# KiCad board tokeyo.kicad_pcb
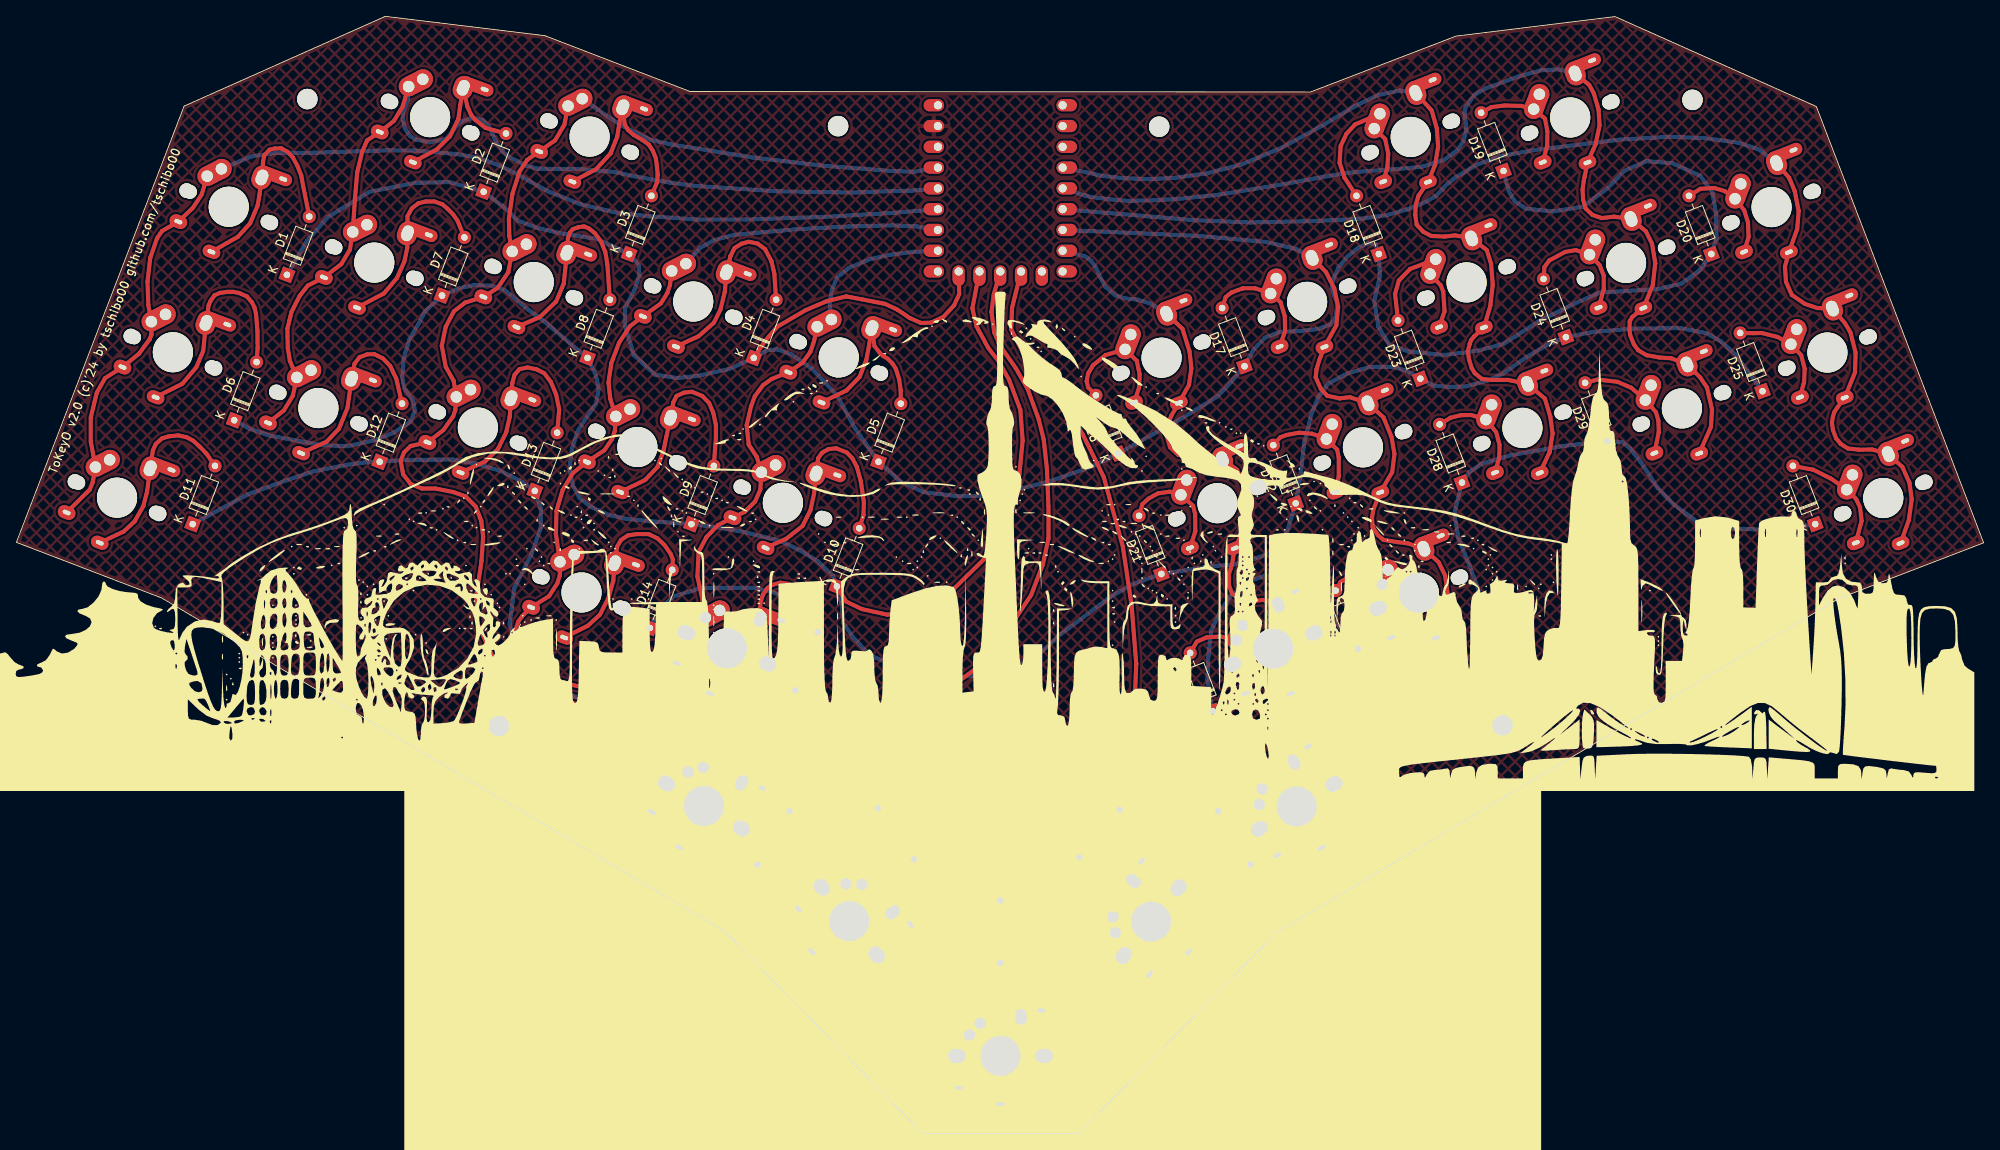
[diagram p0: board, top side]
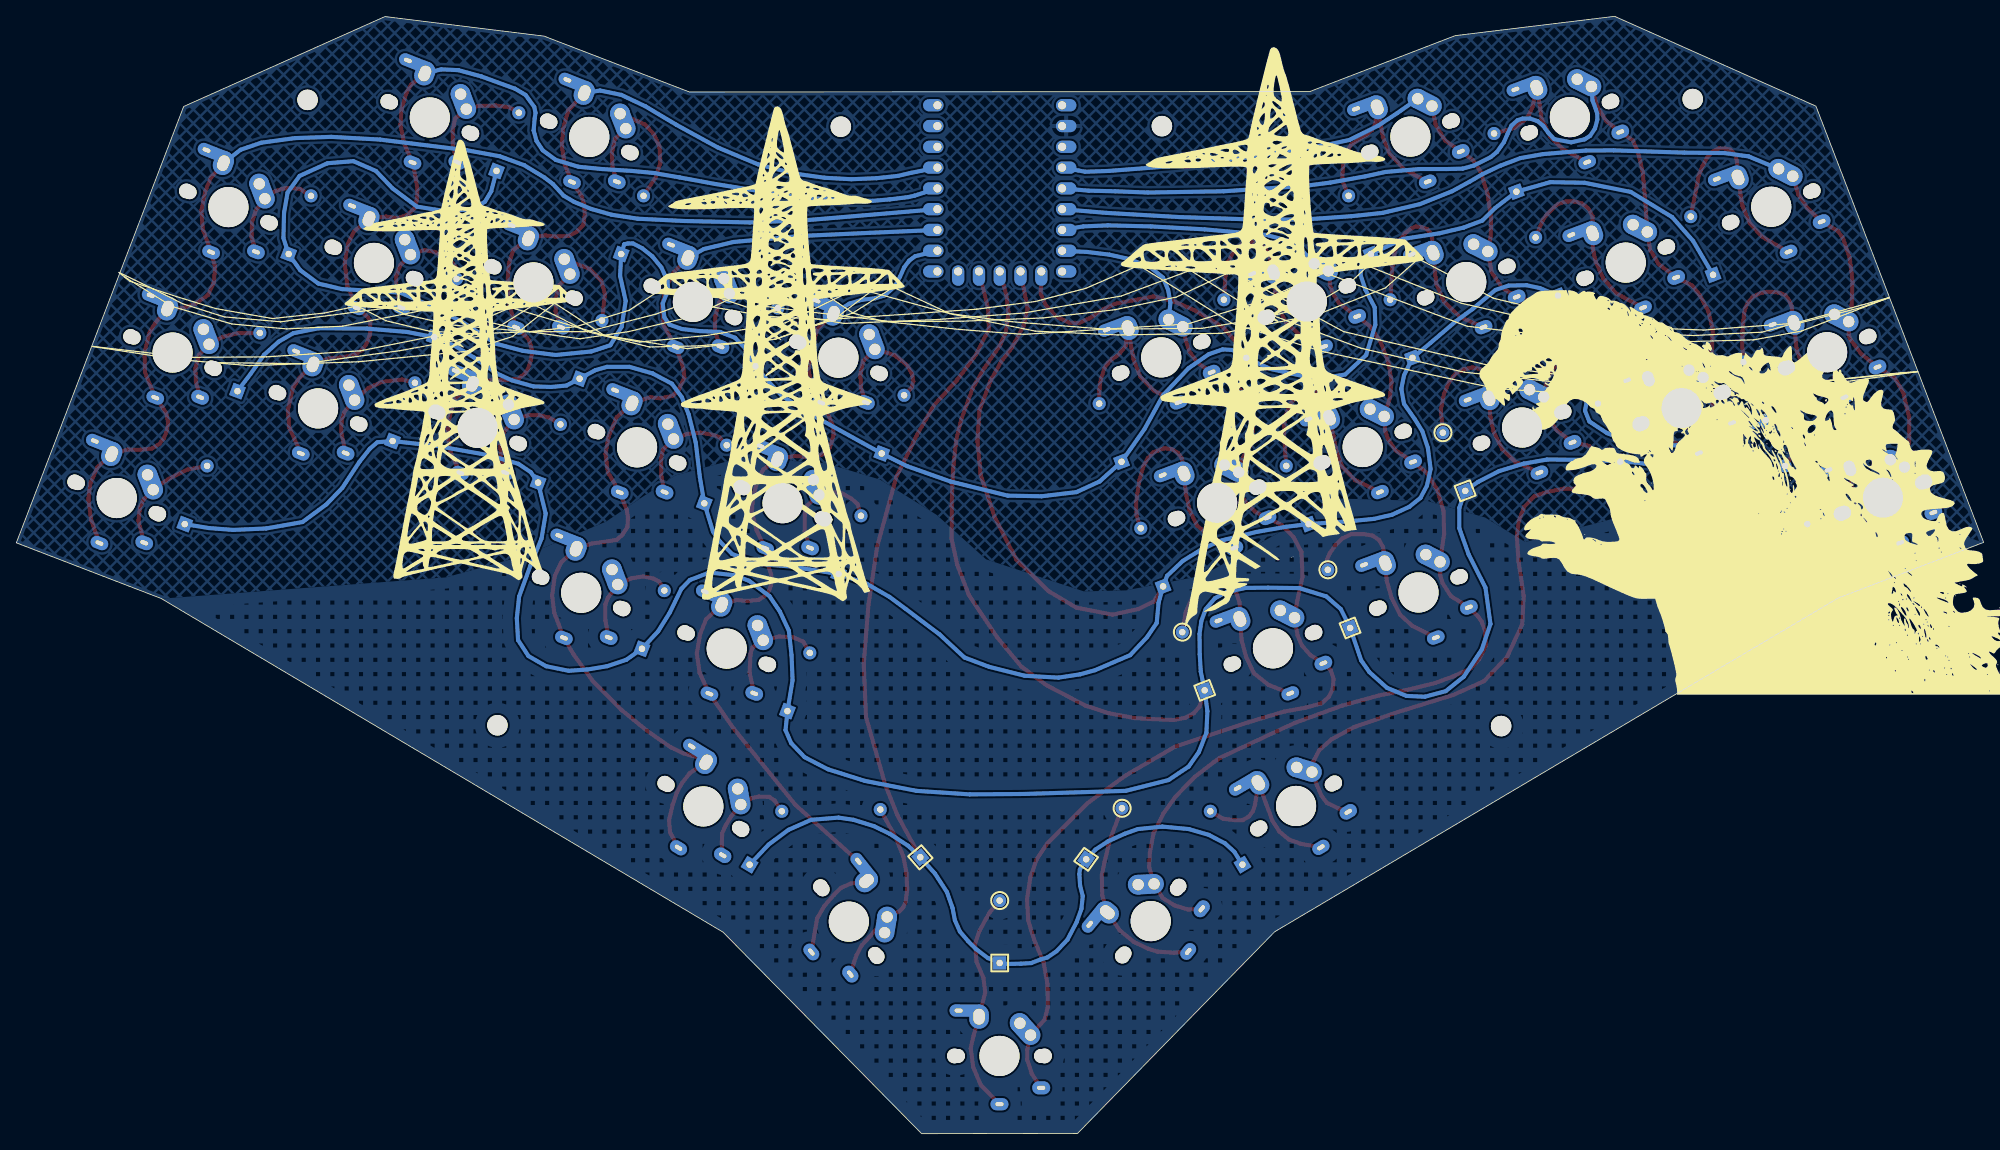
[diagram p1: board, bottom side, seen from below]

Outline 240.44 x 136.6 mm; copper layers: Top, Bottom. Coordinates in mm from the lower left corner of the outline.
Outline path: 0,72.29 20.5,125.63 45.09,136.6 64.59,134.24 82.35,127.41 158.17,127.36 175.95,134.19 195.38,136.58 219.99,125.58 240.44,72.24 222.73,65.43 154.07,24.64 129.79,0 110.74,0.03 86.66,24.68 17.78,65.48 closed

## Placement (name value [footprint] x y rotation side)
D1  Diode  [Diode_DO-35]  33.07 105 69 top
D2  Diode  [Diode_DO-35]  57.11 115.16 69 top
D3  Diode  [Diode_DO-35]  74.89 107.54 69 top
D4  Diode  [Diode_DO-35]  90.13 94.84 69 top
D5  Diode  [Diode_DO-35]  105.37 82.14 69 top
D6  Diode  [Diode_DO-35]  26.63 87.22 69 top
D7  Diode  [Diode_DO-35]  52.03 102.46 69 top
D8  Diode  [Diode_DO-35]  69.81 94.84 69 top
D9  Diode  [Diode_DO-35]  82.51 74.52 69 top
D10  Diode  [Diode_DO-35]  100.29 66.9 69 top
D11  Diode  [Diode_DO-35]  21.55 74.52 69 top
D12  Diode  [Diode_DO-35]  44.41 82.14 69 top
D13  Diode  [Diode_DO-35]  63.36 78.59 69 top
D14  Diode  [Diode_DO-35]  77.43 61.82 69 top
D15  Diode  [Diode_DO-35]  95.21 54.2 69 top
D16  Diode  [Diode_DO-35]  134.67 83.16 111 top
D17  Diode  [Diode_DO-35]  150.1 93.83 111 top
D18  Diode  [Diode_DO-35]  166.52 107.54 111 top
D19  Diode  [Diode_DO-35]  181.76 117.7 111 top
D20  Diode  [Diode_DO-35]  207.16 107.54 111 top
D21  Diode  [Diode_DO-35]  139.94 68.43 111 top
D22  Diode  [Diode_DO-35]  156.36 77.06 111 top
D23  Diode  [Diode_DO-35]  171.6 92.3 111 top
D24  Diode  [Diode_DO-35]  189.38 97.38 111 top
D25  Diode  [Diode_DO-35]  213.41 90.78 111 top
D26  Diode  [Diode_DO-35]  146.2 51.66 111 top
D27  Diode  [Diode_DO-35]  163.98 59.28 111 top
D28  Diode  [Diode_DO-35]  176.68 79.6 111 top
D29  Diode  [Diode_DO-35]  194.46 84.68 111 top
D30  Diode  [Diode_DO-35]  219.86 74.52 111 top
D31  Diode  [Diode_DO-35]  90.59 32.88 59 top
D32  Diode  [Diode_DO-35]  109.68 33.55 125 top
D33  Diode  [Diode_DO-35]  120.26 20.87 90 top
D34  Diode  [Diode_DO-35]  129.95 33.79 50 top
D35  Diode  [Diode_DO-35]  150.82 32.88 121 top
G***  LOGO  [cloud2]  176.23 106.96 0 top
G***#2  LOGO  [cloud]  56.5 98.9 0 top
G***#3  LOGO  [skyline]  115.63 72.68 0 top
G***#4  LOGO  [fire]  156.13 5.18 50 bottom
G***#5  LOGO  [godzilla]  29.44 79.06 180 bottom
G***#6  LOGO  [strom_]  88.13 96.7 180 bottom
G***#7  LOGO  [strom]  148.62 94.89 180 bottom
G***#8  LOGO  [strom_smaller]  187.22 94.19 180 bottom
REF**  -  [MountingHole_2.5mm]  181.64 49.93 0 top
REF**#2  -  [MountingHole_2.5mm]  139.67 123.11 0 top
REF**#3  -  [MountingHole_2.5mm]  58.97 49.83 0 top
REF**#4  -  [MountingHole_2.5mm]  100.43 123.18 0 top
REF**#5  -  [MountingHole_2.5mm]  204.85 126.39 0 top
REF**#6  -  [MountingHole_2.5mm]  35.56 126.49 0 top
S1  Keyswitch  [keyswitch_cherrymx_alps_choc12_1u]  25.96 113.32 339 top
S2  Keyswitch  [keyswitch_cherrymx_alps_choc12_1u]  50.57 124.28 339 top
S3  Keyswitch  [keyswitch_cherrymx_alps_choc12_1u]  70.06 121.9 339 top
S4  Keyswitch  [keyswitch_cherrymx_alps_choc12_1u]  82.72 101.73 339 top
S5  Keyswitch  [keyswitch_cherrymx_alps_choc12_1u]  100.51 94.91 339 top
S6  Keyswitch  [keyswitch_cherrymx_alps_choc12_1u]  19.13 95.54 339 top
S7  Keyswitch  [keyswitch_cherrymx_alps_choc12_1u]  43.74 106.5 339 top
S8  Keyswitch  [keyswitch_cherrymx_alps_choc12_1u]  63.23 104.11 339 top
S9  Keyswitch  [keyswitch_cherrymx_alps_choc12_1u]  75.9 83.95 339 top
S10  Keyswitch  [keyswitch_cherrymx_alps_choc12_1u]  93.68 77.12 339 top
S11  Keyswitch  [keyswitch_cherrymx_alps_choc12_1u]  12.3 77.75 339 top
S12  Keyswitch  [keyswitch_cherrymx_alps_choc12_1u]  36.91 88.71 339 top
S13  Keyswitch  [keyswitch_cherrymx_alps_choc12_1u]  56.41 86.33 339 top
S14  Keyswitch  [keyswitch_cherrymx_alps_choc12_1u]  69.07 66.16 339 top
S15  Keyswitch  [keyswitch_cherrymx_alps_choc12_1u]  86.86 59.34 339 top
S16  Keyswitch  [keyswitch_cherrymx_alps_choc12_1u]  139.97 94.87 21 top
S17  Keyswitch  [keyswitch_cherrymx_alps_choc12_1u]  157.75 101.69 21 top
S18  Keyswitch  [keyswitch_cherrymx_alps_choc12_1u]  170.41 121.86 21 top
S19  Keyswitch  [keyswitch_cherrymx_alps_choc12_1u]  189.91 124.24 21 top
S20  Keyswitch  [keyswitch_cherrymx_alps_choc12_1u]  214.52 113.28 21 top
S21  Keyswitch  [keyswitch_cherrymx_alps_choc12_1u]  146.79 77.08 21 top
S22  Keyswitch  [keyswitch_cherrymx_alps_choc12_1u]  164.58 83.91 21 top
S23  Keyswitch  [keyswitch_cherrymx_alps_choc12_1u]  177.24 104.07 21 top
S24  Keyswitch  [keyswitch_cherrymx_alps_choc12_1u]  196.73 106.45 21 top
S25  Keyswitch  [keyswitch_cherrymx_alps_choc12_1u]  221.34 95.5 21 top
S26  Keyswitch  [keyswitch_cherrymx_alps_choc12_1u]  153.62 59.3 21 top
S27  Keyswitch  [keyswitch_cherrymx_alps_choc12_1u]  171.4 66.12 21 top
S28  Keyswitch  [keyswitch_cherrymx_alps_choc12_1u]  184.07 86.29 21 top
S29  Keyswitch  [keyswitch_cherrymx_alps_choc12_1u]  203.56 88.67 21 top
S30  Keyswitch  [keyswitch_cherrymx_alps_choc12_1u]  228.17 77.71 21 top
S31  Keyswitch  [keyswitch_cherrymx_alps_choc12_1u]  84.03 40.06 329 top
S32  Keyswitch  [keyswitch_cherrymx_alps_choc12_1u]  101.8 25.98 309 top
S33  Keyswitch  [keyswitch_cherrymx_alps_choc12_1u]  120.28 9.5 0 top
S34  Keyswitch  [keyswitch_cherrymx_alps_choc12_1u]  138.7 25.92 51 top
S35  Keyswitch  [keyswitch_cherrymx_alps_choc12_1u]  156.47 40.01 31 top
U1  -  [RP2040_Zero]  120.25 115.57 0 top

## Library data of the parts
D1-D35 = -: Description: 1N4148 (DO-35) or 1N4148W (SOD-123); Sim.Device: D; Sim.Pins: 1=K 2=A
S1-S35 = -: Description: Push button switch, normally open, two pins, 45° tilted

## Footprints (pads in the part's own frame, mm; a bottom-side part is the same pattern mirrored in y, then rotated)
Diode_DO-35
  rect 1.6x1.6 hole 0.8: 1(0,0)
  oval 1.6x1.6 hole 0.8: 2(7.62,0)
keyswitch_cherrymx_alps_choc12_1u
  round 1.8 hole 1.8 unplated: (-5.5,0) (5.5,0)
  round 1.7 hole 1.7 unplated: (-5.08,0) (5.08,0)
  round 4.9 hole 4.9 unplated: (0,0)
  oval 2.2x1.6 hole 1x0.5: 1(-5.1,-3.9)
  oval 2.4x4.4 hole 1.4 rot 138: 1(-3.8,2.55)
  round 2.4 hole 1.4: 1(-2.5,4)
  oval 2.2x1.5 hole 1x0.5: 2(0,-5.9)
  oval 2.4x2.95 hole 1.4x1.95: 2(2.5,4.8)
  oval 4.4x1.5 hole 1x0.5 rot 0.5: 2(5,5.55)
MountingHole_2.5mm
  round 2.5 hole 2.5 unplated: (0,0)
RP2040_Zero
  oval 2.5x1.5 hole 1: 1(7.62,10.16) 2(7.62,7.62) 3(7.62,5.08) 4(7.62,2.54) 5(7.62,0) 6(7.62,-2.54) 7(7.62,-5.08) 8(7.62,-7.62) 9(7.62,-10.16) 15(-7.62,-10.16) 16(-7.62,-7.62) 17(-7.62,-5.08) 18(-7.62,-2.54) 19(-7.62,0) 20(-7.62,2.54) 21(-7.62,5.08) 22(-7.62,7.62) 23(-7.62,10.16)
  oval 1.5x2.5 hole 1: 10(5.08,-10.16) 11(2.54,-10.16) 12(0,-10.16) 13(-2.54,-10.16) 14(-5.08,-10.16)

## Nets
gnd: U1.22
c1: S1.1 S6.1 S11.1 U1.18
c2: S2.1 S7.1 S12.1 U1.19
c3: S3.1 S8.1 S13.1 S31.1 U1.20
c4: S4.1 S9.1 S14.1 S32.1 U1.17
c5: S5.1 S10.1 S15.1 S33.1 U1.16
c6: S16.2 S21.2 S26.2 S34.2 U1.8
c7: S17.2 S22.2 S27.2 S35.2 U1.7
c8: S18.2 S23.2 S28.2 U1.4
c9: S19.2 S24.2 S29.2 U1.5
c10: S20.2 S25.2 S30.2 U1.6
r1: D1.1 D2.1 D3.1 D4.1 D5.1 D16.1 D17.1 D18.1 D19.1 D20.1 U1.14
r2: D6.1 D7.1 D8.1 D9.1 D10.1 D21.1 D22.1 D23.1 D24.1 D25.1 U1.13
r3: D11.1 D12.1 D13.1 D14.1 D15.1 D26.1 D27.1 D28.1 D29.1 D30.1 U1.12
r4: D31.1 D32.1 D33.1 D34.1 D35.1 U1.11
Net-(D1-A): D1.2 S1.2
Net-(D2-A): D2.2 S2.2
Net-(D3-A): D3.2 S3.2
Net-(D4-A): D4.2 S4.2
Net-(D5-A): D5.2 S5.2
Net-(D6-A): D6.2 S6.2
Net-(D7-A): D7.2 S7.2
Net-(D8-A): D8.2 S8.2
Net-(D9-A): D9.2 S9.2
Net-(D10-A): D10.2 S10.2
Net-(D11-A): D11.2 S11.2
Net-(D12-A): D12.2 S12.2
Net-(D13-A): D13.2 S13.2
Net-(D14-A): D14.2 S14.2
Net-(D15-A): D15.2 S15.2
Net-(D16-A): D16.2 S16.1
Net-(D17-A): D17.2 S17.1
Net-(D18-A): D18.2 S18.1
Net-(D19-A): D19.2 S19.1
Net-(D20-A): D20.2 S20.1
Net-(D21-A): D21.2 S21.1
Net-(D22-A): D22.2 S22.1
Net-(D23-A): D23.2 S23.1
Net-(D24-A): D24.2 S24.1
Net-(D25-A): D25.2 S25.1
Net-(D26-A): D26.2 S26.1
Net-(D27-A): D27.2 S27.1
Net-(D28-A): D28.2 S28.1
Net-(D29-A): D29.2 S29.1
Net-(D30-A): D30.2 S30.1
Net-(D31-A): D31.2 S31.2
Net-(D32-A): D32.2 S32.2
Net-(D33-A): D33.2 S33.2
Net-(D34-A): D34.2 S34.1
Net-(D35-A): D35.2 S35.1

Pads without a net: U1 1 2 3 9 10 15 21 23

## Routing (per net, layer and track width the routed paths; a pad name or vN(x,y) marks a point on that pad's centre or on a via; arc(x,y) is an arc through that point)
c1: length 137.6
  Top w0.5: S11.1 8.97,78.74 9.32,79.6 S11.1 9.09,84.63 9.09,87.55 9.83,90.6 10.85,92.38 S6.1 14.99,95.35 16.28,97.1 16.51,97.69 S6.1 16.13,101.3 16.03,104.17 16.36,107.04 17.2,109.47 17.81,110.36 S1.1 21.56,113.18 22.66,114.83 S1.1
  Bottom w0.5: S1.1 28.73,119.48 31.67,119.89 36.58,119.94 45.23,120.22 48.58,120.2 53.85,119.76 56.59,119.28 59.08,118.34 61.26,117.3 62.79,116.41 64.97,115.21 68.91,113.64 73.46,112.57 77.29,112.17 83.11,111.76 89.18,111.76 98.32,112.06 107.21,112.57 U1.18
c2: length 123.2
  Top w0.5: S2.1 47.22,125.58 46.13,123.8 S2.1 42.88,121.44 42.27,120.07 41.66,117.53 41.38,114.25 S7.1 40.77,108.08 39.73,106.32 S7.1 35.61,103.68 34.65,102.46 33.63,100.48 33.12,98.4 33.17,96.04 33.43,94.49 S12.1 33.78,90.2 32.69,88.42 S12.1
  Bottom w0.5: U1.19 109.4,115.29 106.15,115.21 102.16,115.06 92.89,115.21 82.96,115.87 79.83,116.28 75.56,117.04 73.1,117.58 68.99,117.93 65.68,117.93 63.68,117.98 62.28,118.37 60.25,119.39 59.49,120.02 58.62,121.23 58.19,122.22 57.71,123.24 56.97,123.9 56.34,124.1 55.42,124.1 54.53,123.8 53.82,123.22 53.21,122.38 52.48,121.59 50.41,121.2 48.75,121.57 48.09,122 47.5,122.89 47.21,123.99 47.23,124.72 47.39,125.23 47.8,126.31 S2.1
c3: length 165.9
  Top w0.5: S3.1 66.98,123.37 65.84,121.44 S3.1 62.43,119.05 61.49,117.63 60.63,114.91 60.2,111.86 60.25,109.73 S8.1 60.12,105.31 58.83,103.4 S8.1 54.84,101.6 53.47,100.53 52.48,98.65 51.99,96.34 52.48,93.75 53.44,92.05 S13.1 53.64,88.47 53.39,87.71 52.17,86 S13.1 48.18,84.07 47.37,83.29 46.96,82.25 47.27,80.62 48.18,79.43 49.58,78.87 51.26,78.87 53.42,78.44 54.91,77.9 56.16,76.63 56.82,74.9 57.05,73 56.85,69.98 56.21,65.74 56.39,62.28 58.24,58.29 61.06,55.32 64.87,53.61 71.57,51.55 76.94,49.7 79.69,48.21 81.23,46.86 81.9,45.55 S31.1 81.45,42.52 80.91,41.3 80.28,40.45 78.97,39.81 S31.1
  Bottom w0.5: U1.20 110.62,117.75 109.8,117.6 106.91,117.7 98.6,118.34 89.94,119.35 80.11,120.93 77.52,121.49 73.99,123.24 71.68,124.76 S3.1
c4: length 148.3
  Top w0.5: 93.32,45.95 94.09,45.41 96.44,43.6 98.79,41.17 100.28,39.09 101.45,36.74 101.9,34.35 101.99,32.59 S32.1 100.32,28.8 98.88,27.9 97.21,27.4 S32.1 ; 93.32,45.95 84.25,50.19 78.41,52.32 73.91,53.57 70.46,54.25 67.03,55.09 64.82,55.91 62.66,56.9 61.67,57.99 60.83,59.69 60.91,61.34 61.34,62.59 61.8,63.25 S14.1 65.1,65.71 66.12,67.28 66.42,68.25 S14.1 65.94,73.33 66.01,76.15 66.78,78.71 68.05,80.8 S9.1 71.86,83.54 72.8,84.91 73.15,85.95 S9.1 72.59,89.81 72.36,91.85 72.72,94.21 73.66,96.7 74.98,98.7 S4.1 78.77,101.5 79.55,102.77 79.88,103.73 S4.1 ; 93.32,45.95 93.69,45.69
  Bottom w0.5: S4.1 83.54,108.28 85.24,109.22 87.66,109.88 95.19,110.56 101.75,110.92 107.04,111.05 110.03,110.92 U1.17
c5: length 144.9
  Top w0.5: S5.1 97.49,96.88 97.05,95.61 96.06,94.23 S5.1 92.33,92.28 91.26,91.52 90.25,90.14 89.79,88.9 89.26,86.61 89.51,84.23 90.5,82.73 S10.1 90.93,78.77 90.27,77.27 89.03,76.02 S10.1 85.75,74.4 84.35,72.95 83.39,71.15 83.24,68.12 83.9,65.1 S15.1 83.85,60.91 83.31,59.66 82.27,58.5 S15.1 79.78,56.64 79.45,55.58 79.55,54.36 80.01,53.42 80.92,52.6 82.91,52.07 85.45,51.61 89.87,50.29 98.86,47.29 104.83,43.81 109.47,40.44 114.45,35.46 115.75,33.53 116.51,31.32 116.92,28.65 116.76,26.03 116.05,23.72 114.88,20.9 114.43,18.34 114.38,15.47 114.76,13.94 S33.1 116.89,10.29 116.89,9.02 116.33,7.32 S33.1
  Bottom w0.5: S5.1 99.39,101.57 99.67,103.15 100.3,104.67 101.78,105.87 104.32,106.91 106.86,107.47 109.58,107.8 U1.16
c6: length 116.6
  Top w0.5: S34.2 138.51,30.56 139.64,30.06 140.52,29.18 141.68,27.84 142.57,26.32 142.84,24.74 S34.2 ; S34.2 145.24,40.22 152.8,49.56 S26.2 156.92,56.31 157.28,58.7 156.87,61.06 156.13,62.89 S26.2 152.4,65.25 151.16,65.13 149.71,65.25 148.59,66.01 148.21,67.03 148.18,68.33 148.56,69.57 S21.2 149.96,73.76 150.55,75.97 150.39,77.95 149.78,79.98 149.15,81.2 S21.2 145.34,82.85 143.61,82.7 141.99,83.01 141,83.92 140.54,85.47 140.67,86.56 141.15,87.76 S16.2 143.31,91.52 143.61,93.55 143.38,95.63 142.52,98.4 S16.2
  Bottom w0.5: S16.2 138.63,101.47 137.08,101.96 135.46,102.13 134.32,102.49 133.1,103.56 132.44,104.78 131.93,105.92 131.32,106.73 130.61,107.26 U1.8
c7: length 127
  Top w0.5: S35.2 158.15,44.06 159.09,42.84 159.73,41.66 160.22,40.22 160.67,38.32 160.54,36.83 S35.2 ; 156.03,45.67 157.78,46.18 158.91,46.49 160.49,47.26 163.34,49.25 166.5,51.82 170,55.36 172.35,58.61 S27.2 174.7,63.68 174.96,65.81 174.62,68.22 173.84,69.85 S27.2 170.08,72.16 168.86,72.31 167.08,72.59 166.4,73.18 165.76,74.17 165.68,75.29 165.84,76.28 S22.2 168.15,80.87 168.43,83.11 168.07,85.17 167.08,87.58 S22.2 162.97,90.04 161.72,89.89 160.2,90.22 159.44,91.06 158.8,92.46 158.9,93.45 159.21,94.49 S17.2 161.32,98.81 161.54,101.09 161.06,103.38 160.07,105.33 S17.2
  Bottom w0.5: U1.7 136.14,110.13 144.53,109.75 152.78,109.02 156.41,108.15 S17.2
c8: length 108
  Top w0.5: S18.2 172.97,125.09 173.61,122.89 173.76,120.68 173.41,118.47 S18.2 171.37,114.68 171.04,113.61 170.97,112.34 171.15,111.12 171.96,110.26 172.92,109.75 174.57,109.68 175.82,109.83 S23.2 179.71,108.03 180.24,106.35 180.44,103.78 180.14,101.17 S23.2 178.18,97.49 177.8,97.03 177.62,96.55 177.39,95.63 177.55,94.64 177.88,93.57 178.26,92.96 179.12,92.28 180.26,92.15 182.32,92.15 S28.2 186.82,89.87 187.48,87.66 187.76,85.6 187.4,83.34 S28.2
  Bottom w0.5: U1.4 131.06,117.47 132.72,117.09 135.31,116.81 138.38,116.69 141.63,116.87 145.47,117.4 149.81,118.52 154.71,120.57 159.77,123.34 163.55,125.6 166.5,127 169.09,127.53 S18.2
c9: length 130.3
  Top w0.5: S19.2 192.23,128.22 192.79,127.2 193.37,125.2 193.5,123.29 193.01,120.98 S19.2 191.67,117.02 191.57,116.48 191.41,115.39 191.49,114.17 191.8,113.11 192.63,112.32 193.78,111.94 195.25,112.12 S24.2 199.16,110.31 199.9,108.84 200.3,106.43 200,103.73 S24.2 197.49,99.85 197.18,99.31 197.15,98.27 197.23,97.64 197.69,96.49 198.22,95.78 199.24,95.17 200.84,94.89 202.26,94.79 S29.2 205.82,92.43 206.63,91.21 207.24,88.54 207.11,86.41 S29.2
  Bottom w0.5: U1.5 130.66,114.68 131.45,114.5 133.68,114.22 135.79,114.05 138.81,114.1 141.91,114.27 146.63,114.76 154.99,116.1 159.41,116.92 162.53,117.45 165.2,117.7 168.83,117.93 171.73,118.21 174.5,119.05 176.1,120.22 176.86,121.36 177.22,122.66 177.09,124.13 176.99,124.82 177.14,125.53 178.21,127 179.5,127.76 183.62,129.26 186.41,130.02 188.52,130.12 S19.2
c10: length 149.4
  Top w0.5: S20.2 216.66,116.87 217.35,115.24 217.83,112.8 217.65,110.59 S20.2 216.15,105.99 216.28,104.14 216.99,102.54 218.59,101.45 220.12,100.94 S25.2 223.47,99.11 224.16,97.97 224.79,95.48 224.71,93.07 S25.2 222.55,88.77 222.2,88.24 222.02,87.68 221.89,86.94 222.02,86.03 222.4,85.01 222.96,84.33 223.85,83.77 225.22,83.62 226.82,83.64 S30.2 230.5,81.51 231.37,79.58 231.65,77.57 231.29,75.01 S30.2
  Bottom w0.5: U1.6 143.81,111.68 150.8,111.4 158.83,111.58 164.49,111.86 167.67,112.34 170.18,113.06 172.26,113.92 173.56,114.68 174.85,116.1 175.92,116.92 178.38,118.41 181.38,119.51 185.45,120.24 196.01,121.54 201.96,121.87 206.38,121.72 210.49,121.16 213.03,120.29 S20.2
r1: length 304.4
  Top w0.5: U1.14 115.24,102.64 114.6,101.27 113.28,99.85 111.81,99.16 110.57,99.11 109.19,99.72 107.65,100.76 106.17,101.45 103.33,102.01 101.42,102.36 99.03,101.78 96.47,100.69 92.99,98.65 91.52,96.93 D4.1
  Bottom w0.5: D19.1 182.4,115.21 183.16,113.94 184.53,113.08 187.78,112.75 191.47,113.33 194.46,115.57 196.49,117.7 199.24,118.9 202.41,118.64 205.82,117.09 207.29,115.06 207.72,112.57 207.8,109.5 D20.1 205.74,105.56 203.53,103.94 200.61,103.25 196.24,103 193.5,102.82 190.53,101.52 186.06,99.31 181.79,96.57 178.54,95.71 174.52,95.2 170.15,95.63 167.84,96.39 166.47,98.63 165.96,101.8 166.65,104.88 D18.1 166.14,108.74 165.68,108.84 165.07,108.84 163.96,108.25 162.71,107.26 161.59,105.89 160.86,104.27 160.78,103.3 161.01,102.57 161.44,101.5 161.24,99.8 160.6,98.91 159.08,98.37 156.9,98.12 154.43,98.02 152.6,97.31 151.23,95.88 D17.1 148.44,91.87 146.81,90.14 142.52,87.5 D16.1 131.57,81.61 126.26,79.73 119.25,78 115.14,77.93 110.87,78.44 108.05,79.73 D5.1 102.57,86.13 100.25,90.32 97.18,93.57 94.69,95.3 92.99,95.88 91.8,95.81 D4.1 87.17,93.5 83.24,92.63 80.75,92.38 78.03,92.81 75.46,95.2 74.35,98.88 74.42,101.02 75.54,103.15 76.15,104.95 76.05,106.25 D3.1 70.92,109.4 66.47,110.08 63.58,110.77 61.26,111.63 59.72,113.16 D2.1 52.96,116.33 48.77,116.26 43.13,115.14 38.07,112.06 35.51,109.14 D1.1
r2: length 317.6
  Top w0.5: D10.1 101.42,65.05 103.33,64.13 106.45,63.45 110.9,64.31 114.27,66.32 118.21,70.18 120.88,75.39 122.58,80.57 122.99,84.73 122.71,88.49 121.34,92.15 120.09,94.36 118.77,96.09 117.35,98.7 116.84,100.91 U1.13
  Bottom w0.5: D25.1 211.81,92.89 210.16,95.22 208.38,96.82 206.58,97.87 203.43,98.48 197.56,98.42 192.71,98.02 D24.1 186.94,96.37 184.51,94.89 181.71,92.94 179.88,92.1 177.24,91.36 175.08,91.29 173.2,91.47 D23.1 169.67,93.34 168.25,93.75 165.51,93.75 162.66,92.94 160.32,91.69 159.11,90.04 158.27,87.93 157.4,84.51 156.9,80.24 D22.1 155.3,73.61 154.51,72.47 152.96,70.87 151.26,70.26 148.69,69.57 145.82,69.34 D21.1 136.53,67.23 133.73,65.63 131.75,64.16 127.64,61.06 124.56,58.22 121.54,57.07 117.2,55.98 113.08,55.75 110.41,56.16 108.59,56.67 104.32,58.5 102.26,60.68 101.07,62.43 100.84,64.9 D10.1 99.8,68.2 97.87,70.03 95.76,71.32 93.37,72.47 88.9,73.56 85.27,74.19 D9.1 77.44,74.88 74.55,75.16 72.31,75.67 70.21,76.63 68.83,77.72 68.05,79.2 67.59,81.25 67.92,83.82 68.61,85.88 69.52,87.35 70.84,89.23 71.17,91.06 70.84,92.71 D8.1 67.61,96.67 64.48,99.34 62.48,100.8 59.66,103.15 58.06,103.68 55.88,103.73 54.23,103.38 D7.1 49.96,100.53 49.33,99.34 48.03,97.05 47.35,94.84 47.17,92.56 47.4,91.14 48.49,89.69 48.72,88.39 48.18,87.07 46.02,85.65 43.79,84.79 40.49,84.05 37.29,84.18 30.86,85.37 28.45,86.21 D6.1
r3: length 383.3
  Top w0.5: U1.12 119.46,102.59 119.18,100.46 119.51,97.97 120.24,96.32 122.12,93.62 123.57,91.11 124.94,87.35 125.55,84.91 125.96,81.2 126.14,76.73 126.14,72.75 125.45,69.57 124.03,65.86 120.55,60.66 117.63,57.12 114.55,54.84 109.75,52.32 106.96,51.41 103.71,50.8 101.42,50.67 98.98,50.57 97.56,50.85 96.52,51.41 95.83,52.22 D15.1
  Bottom w0.5: D30.1 216.92,74.04 213.94,73.81 209.91,73.99 205.46,74.78 202.54,76.94 200.61,78.94 198.5,82.14 197.23,83.74 196.32,84.53 D29.1 189.03,84.07 182.6,82.93 179.07,81.89 177.57,80.87 D28.1 175.74,75.79 176.25,72.77 177.62,69.42 178.99,65.66 179.27,63.02 179.12,60.35 177.85,58.39 175.69,57.15 172.95,56.59 170.66,56.74 168.22,57.15 165.89,57.94 D27.1 162,61.42 160.58,63.7 159.16,66.62 158.12,67.69 155.73,68.61 152.7,68.28 150.88,67.59 148.39,65.71 147.12,63.83 146.02,61.49 145.69,58.47 145.57,55.45 D26.1 146.43,49.33 145.75,47.75 144.09,46.02 141.25,44.55 136.73,43.13 130.4,41.91 123.9,41.48 117.3,41.53 104.85,41.91 99.62,43.23 97.16,44.88 95.91,46.66 95,49 94.87,51.66 D15.1 95.68,56.49 95.81,58.62 95.83,61.06 95.61,62.69 95.07,64.13 93.95,65.46 92.51,66.22 90.17,66.73 87.45,66.75 83.64,66.7 80.34,65.68 78.56,64.13 D14.1 76.07,57.86 75.08,56.44 72.92,54.51 70.54,53.52 68.3,53.42 65.74,54.1 63.53,55.88 61.34,59.18 60.27,62.31 60.88,66.75 62.94,70.82 64.08,74.02 64.08,76.5 D13.1 61.8,79.68 59.23,81 56.21,81.91 53.34,82.42 47.5,82.37 D12.1 42.65,82.07 40.54,81.79 36.42,81 32.94,79.86 28.22,78.13 D11.1
r4: length 159.4
  Top w0.5: D34.1 132.76,38.93 134.22,42.59 136.6,50.96 136.87,57.45 136.3,64.64 135.23,71.78 132.89,80.29 130.33,85.5 128.27,89.08 125.45,92.15 123.14,95.25 121.59,98.32 121.69,100.97 U1.11
  Bottom w0.5: D35.1 148.5,35.34 146.06,37.15 143.29,38.37 139.95,38.64 138.11,38.37 135.63,37.6 133.67,36.65 131.44,35.19 D34.1 128.16,31.79 126.7,29.53 126.02,27.6 125.73,26.09 125.12,24.71 124.1,23.52 123.16,22.58 121.69,21.46 D33.1 119.27,20.75 117.68,20.78 116.41,20.85 115.29,21.29 114.43,21.54 113.31,22.3 111.97,23.72 110.86,25.85 110.27,27.47 110.1,29.02 110.43,30.34 110.52,31.73 110.46,32.3 D32.1 108.54,34.74 107.03,35.73 104.94,36.68 103.37,37.24 100.36,37.54 97.15,37.24 94.7,36.53 92.71,35.49 91.59,34.47 D31.1
Net-(D1-A): length 26.3
  Top w0.5: D1.2 35.05,115.85 34.82,117.12 34.34,118.34 33.81,119.33 33.15,120.04 32.36,120.47 31.57,120.45 30.94,120.29 30.3,119.61 30.15,118.85 S1.2 29.72,114.83 29.49,113.49 28.58,111.3 27.08,109.65 S1.2
Net-(D2-A): length 20.2
  Top w0.5: S2.2 51.36,120.32 52.98,121.92 54.03,124.08 54.25,125.78 S2.2 55.12,125.58 55.55,124.61 56.11,123.93 57.35,122.96 D2.2
Net-(D3-A): length 24.4
  Top w0.5: D3.2 78.31,116.33 78.38,117.25 78.28,118.31 78.16,119.25 77.8,120.14 77.29,120.93 76.43,121.54 75.46,122.1 74.75,122.71 74.35,123.42 S3.2 73.69,123.44 73.43,121.87 72.62,119.84 70.84,117.91 S3.2
Net-(D4-A): length 25.7
  Top w0.5: D4.2 92.63,105.16 92.28,106.68 91.49,108.15 90.6,108.81 89.51,109.04 88.65,108.81 87.78,108.28 87.27,107.29 S4.2 86.59,102.95 86.06,100.76 85.24,99.14 83.36,97.49 S4.2
Net-(D5-A): length 22.3
  Top w0.5: S5.2 101.45,90.86 103.05,92.51 103.89,94.61 104.19,96.24 S5.2 104.88,96.29 105.51,95.48 105.94,95.07 106.5,94.74 107.06,94.18 107.47,93.55 107.9,92.23 108.08,90.93 D5.2
Net-(D6-A): length 28
  Top w0.5: D6.2 29.49,96.09 29.46,98.12 29.29,100.25 29.11,100.99 28.8,101.63 28.17,102.36 27.18,102.79 26.52,102.92 25.83,102.92 24.89,102.79 24.23,102.51 23.75,101.83 23.5,101.27 S6.2 22.83,95.71 22,93.7 20.29,91.69 S6.2
Net-(D7-A): length 24.1
  Top w0.5: S7.2 44.93,102.74 46.51,104.6 47.42,106.63 47.78,108.31 S7.2 47.8,112.17 48.34,113.13 49.12,113.74 50.04,113.97 51.08,113.97 52.07,113.61 52.71,113.08 53.39,112.37 53.9,111.66 D7.2
Net-(D8-A): length 26.6
  Top w0.5: D8.2 72.24,106.25 71.98,107.77 71.45,109.09 70.71,110.08 69.98,110.67 69.39,110.92 68.68,110.82 68.02,110.59 67.64,110.16 67.41,109.47 S8.2 66.9,103.94 65.96,101.73 63.96,99.82 S8.2
Net-(D9-A): length 27
  Top w0.5: S9.2 76.84,79.91 78.36,81.51 79.1,83.49 79.43,85.14 S9.2 80.29,89.41 80.7,90.2 81.61,90.6 82.58,90.7 83.82,90.2 84.66,89.33 85.17,88.16 85.5,86.64 85.5,85.04 D9.2
Net-(D10-A): length 27.8
  Top w0.5: D10.2 103.53,75.62 103.58,77.22 103.2,79.81 102.72,81.53 102.18,82.55 101.47,83.29 100.18,83.79 99.24,83.69 98.45,83.24 97.99,82.58 S10.2 97.49,78.21 97.05,76.23 96.09,74.3 94.11,72.75 S10.2
Net-(D11-A): length 24.1
  Top w0.5: D11.2 23.22,83.16 22.38,84.02 21.62,84.71 20.83,85.14 19.76,85.37 18.57,85.24 17.78,84.99 17.04,84.33 16.69,83.54 S11.2 15.98,78.49 15.52,76.73 14.45,74.85 13.11,73.61 S11.2
Net-(D12-A): length 24
  Top w0.5: D12.2 46.43,92.3 45.69,93.85 44.78,94.79 43.76,95.3 42.88,95.28 41.94,94.92 41.33,94.13 S12.2 40.46,88.7 39.42,86.18 37.92,84.61 S12.2
Net-(D13-A): length 26.7
  Top w0.5: D13.2 66.34,88.52 65.96,90.4 65.33,91.9 64.52,92.96 63.58,93.45 62.48,93.68 61.49,93.47 60.91,92.81 60.6,91.74 S13.2 60.3,87.66 59.87,85.75 58.85,83.69 57.28,82.17 S13.2
Net-(D14-A): length 24.1
  Top w0.5: D14.2 80.24,70.21 79.93,70.94 79.2,71.98 78.33,72.8 77.27,73.3 75.79,73.3 74.7,73.13 73.89,72.57 73.41,71.73 S14.2 72.95,67.59 72.34,65.46 71.32,63.45 69.85,62.1 S14.2
Net-(D15-A): length 26.1
  Top w0.5: D15.2 97.51,63.8 96.8,65.33 95.78,66.37 94.39,67.21 93.37,67.36 92.33,67.08 91.82,66.73 91.26,65.94 90.93,64.9 S15.2 90.68,60.3 90.14,58.29 89.18,56.29 87.4,54.86 S15.2
Net-(D16-A): length 16
  Top w0.5: S16.1 137.21,91.21 137.29,92.84 136.93,94.49 S16.1 133.12,95.2 131.6,93.95 130.99,92.94 130.81,92 130.99,91.24 D16.2
Net-(D17-A): length 14.5
  Top w0.5: D17.2 147.8,102.29 148.51,102.84 149.89,103.35 151.41,103.35 S17.1 154.51,101.65 155.02,99.95 155.07,98.12 S17.1
Net-(D18-A): length 20.3
  Top w0.5: D18.2 162.33,116.87 161.72,118.69 161.85,120.73 162.56,122.25 163.63,123.39 S18.1 ; S18.1 167.28,121.62 167.67,119.84 167.56,118.14 S18.1
Net-(D19-A): length 13.9
  Top w0.5: D19.2 180.26,125.5 181.86,125.7 183.9,125.65 S19.1 186.82,124.1 187.12,122.53 187.1,120.75 S19.1
Net-(D20-A): length 13.3
  Top w0.5: D20.2 205.82,115.52 207.49,115.62 208.79,115.24 S20.1 211.18,112.88 211.63,111.43 211.71,109.6 S20.1
Net-(D21-A): length 14
  Top w0.5: D21.2 137.62,76.96 138.38,77.65 139.52,78.28 140.97,78.49 S21.1 143.81,76.76 144.07,75.74 144.09,73.63 S21.1
Net-(D22-A): length 14.2
  Top w0.5: D22.2 154.48,85.14 155.24,85.42 156.77,85.7 158.37,85.57 S22.1 161.42,83.64 161.62,82.65 161.62,80.37 S22.1
Net-(D23-A): length 17.5
  Top w0.5: S23.1 170.33,105.71 168.96,104.29 168.5,102.67 D23.2 ; S23.1 174.55,100.53 174.39,102.95 174.06,103.75 S23.1
Net-(D24-A): length 14.9
  Top w0.5: D24.2 186.77,105.97 187.35,106.76 189.28,107.8 190.58,108.03 S24.1 193.5,106.2 194.01,104.9 194.01,103.23 S24.1
Net-(D25-A): length 13.6
  Top w0.5: D25.2 212.29,97.87 213.31,97.89 215.24,97.41 S25.1 218.14,95.17 218.57,93.52 218.49,91.9 S25.1
Net-(D26-A): length 13.9
  Top w0.5: D26.2 144.27,60.15 145.49,60.68 147.19,60.78 S26.1 150.47,59.44 150.7,58.72 150.83,56.36 S26.1
Net-(D27-A): length 13.6
  Top w0.5: D27.2 161.87,67.49 162.59,67.87 163.8,68.12 165.3,67.89 S27.1 168.15,65.51 168.45,64.69 168.45,62.76 S27.1
Net-(D28-A): length 13.1
  Top w0.5: S28.1 181.23,82.63 181.28,84.2 180.85,85.78 S28.1 177.8,87.86 176.5,87.83 175.29,87.53 D28.2
Net-(D29-A): length 15.2
  Top w0.5: D29.2 193.27,92.2 195.68,91.92 197.38,91.19 S29.1 200.38,88.21 200.69,87.17 200.74,85.78 S29.1
Net-(D30-A): length 14.5
  Top w0.5: S30.1 225.53,74.93 225.32,76.58 224.87,77.57 S30.1 221.82,80.06 219.58,81.18 D30.2
Net-(D31-A): length 21.5
  Top w0.5: D31.2 92.96,38.5 91.43,38.32 90.57,38.32 89.8,38.77 89.31,39.41 89.04,40.26 S31.2 87.68,40.31 86.91,38.23 86.06,36.92 84.93,35.98 83.44,35.43 S31.2
Net-(D32-A): length 25
  Top w0.5: D32.2 106.78,35.93 107.45,33.18 107.77,31.6 107.72,29.16 S32.2 105.6,24.87 103.84,23.43 102.13,22.61 100.95,22.25 98.97,22.12 S32.2
Net-(D33-A): length 27.3
  Top w0.5: D33.2 121.5,27.03 122.76,24.74 123.27,23.19 123.09,21.03 122.25,19.05 122.02,17.27 S33.2 123.44,11.99 123.8,10.46 123.49,8.15 122.58,5.97 S33.2
Net-(D34-A): length 23.5
  Top w0.5: S34.1 138.06,20.94 137.74,21.85 137.11,23.02 136.16,24.06 S34.1 132.51,27.17 132.05,27.67 131.74,28.39 131.56,29.88 131.65,31.91 132.05,33.94 132.96,36.2 D34.2
Net-(D35-A): length 13
  Top w0.5: S35.1 154.22,35.43 154.17,36.74 153.77,37.65 153.09,38.77 S35.1 150.56,41.03 149.66,41.21 148.4,41.17 147.76,40.72 D35.2

## Copper pours and planes (outline as drawn; the poured copper is in the pictures)
gnd on Top, Bottom: 240.44,72.21 219.99,125.58 195.43,136.55 175.9,134.16 158.14,127.36 82.35,127.38 64.57,134.24 45.14,136.63 20.47,125.63 0.03,72.26 17.83,65.48 86.83,24.57 110.77,0.03 129.79,0.03 154.13,24.64 222.71,65.41
gnd on Bottom: 0.03,72.26 17.83,65.48 86.83,24.57 110.77,0.03 129.79,0.03 154.13,24.64 222.71,65.41 187.93,68.01 178.18,70.72 168.34,74.84 164.52,77.45 159.9,80.47 151.76,82.68 141.51,81.97 134.88,79.97 127.95,75.65 121.92,70.22 109.97,66.3 104.82,66.42 95.48,68.23 78.72,77.65 67.97,77.35 60.94,75.34 56.02,72.33 43.96,75.54 33.11,77.25 19.45,78.76

## Text on the board
F.Silkscreen: ToKeyO v2.0 (c)'24 by tschibo00 github.com/tschibo00
